# Altium PCB MCU.PcbDoc (part 2 of 3) (continued)
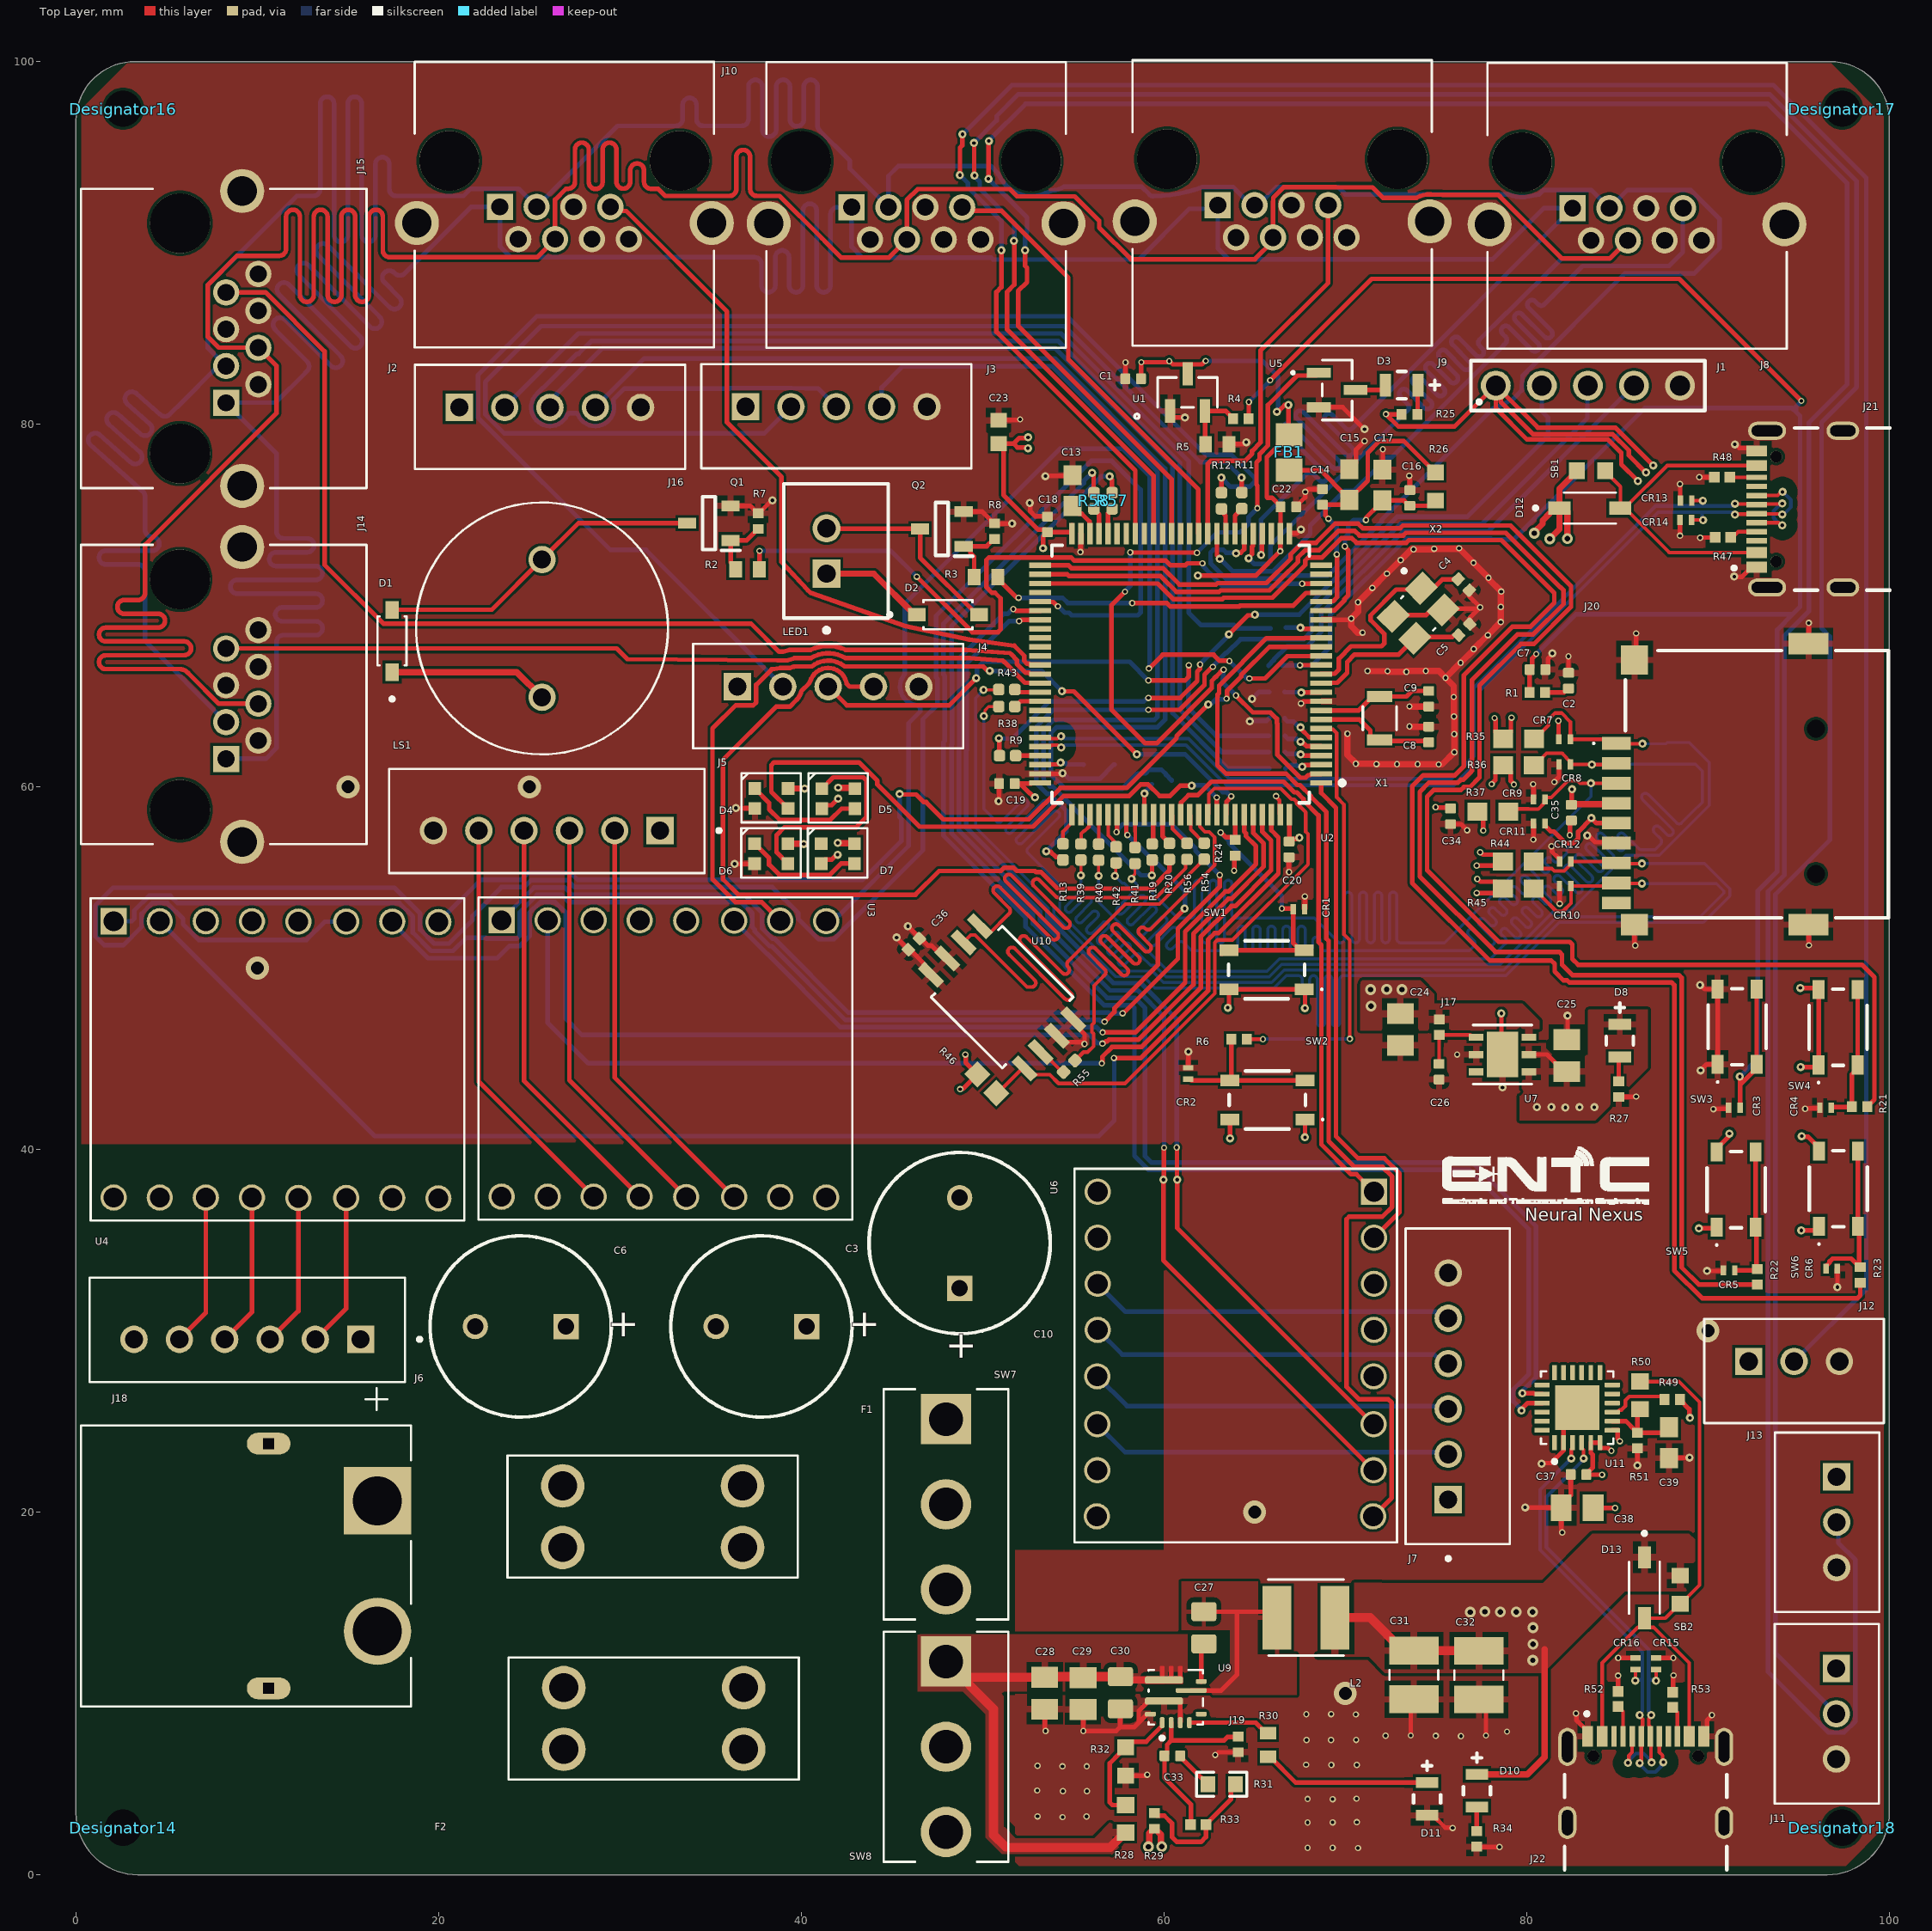
[diagram p0: Top Layer view]
## Nets (pads, with @x,y where several pads share a name; then routed paths per layer and width w, separated by ;. In a path a pad name is that pad's centre, name@x,y a point inside that pad or via, vN(x,y) a via of type N, cw(c..) or ccw(c..) an arc to the next point about the centre after c; other vN are vias at no path point) (continued)
M3_MS1: U2.56 U6.7 | length 60.8
  Top Layer w0.254: v1(51.69,69.81) 51.743,69.81 51.833,69.72 U2.56@53.17,69.72 ; v1(60.01,40.1) 59.99,40.08 59.99,38.35 v2(59.97,38.33) 59.97,33.898 U6.7@71.56,22.308
  Bottom Layer w0.254: v1(51.69,69.81) 51.637,69.81 51.371,69.544 51.15,69.544 48.723,67.117 48.723,62.201 48.686,62.164 48.686,57.607 53.176,53.117 53.176,52.63 57.033,48.772 58.556,48.772 60.01,47.318 v1(60.01,40.1)
M3_MS2: U2.57 U6.6 | length 57.2
  Top Layer w0.254: v1(52.01,69.14) 52.063,69.14 52.143,69.22 U2.57@53.17,69.22 ; v1(60.7,40.11) 60.715,40.095 60.715,38.345 v2(60.73,38.33) 60.73,35.678 U6.6@71.56,24.848
  Bottom Layer w0.254: v1(52.01,69.14) 51.451,69.14 49.127,66.816 49.127,62.034 49.09,61.997 49.09,57.774 53.58,53.284 53.58,52.797 57.201,49.176 58.723,49.176 60.7,47.199 v1(60.7,40.11)
M3_STEP: U2.1 U6.2 | length 28.3
  Top Layer w0.254: U2.1@68.67,60.22 68.67,59.668 69.49,58.848 69.49,40.73 70.701,39.519 72.147,39.519 72.987,38.678 72.987,36.537 U6.2@71.581,35.131
M4_DIR: R18.1 U2.84 | length 1.8
  Top Layer w0.254: U2.84@58.92,58.47 v2(58.92,59.63)
  Bottom Layer w0.254: v2(58.92,59.63) 58.92,59.683 59.155,59.918 59.155,59.979 R18.1@59.325,60.15
M4_EN: R10.1 U2.18 | length 1.9
  Top Layer w0.254: v2@67.57,68.72 U2.18@68.67,68.72
  Bottom Layer w0.254: R10.1@66.714,68.8 66.724,68.79 67.51,68.79 v2(67.52,68.78)
M4_ENC_CS: J14.7 U2.64 | length 45.8
  Top Layer w0.254: J14.7@8.275,67.636 29.808,67.636 30.399,67.044 38.683,66.976 39.228,66.976 39.617,67.098 39.655,67.11 40.539,67.11 cw(c41.48,65.53) 42.421,67.11 49.27,67.11 49.28,67.109 51.108,66.97 51.183,66.896 52.335,65.743 53.147,65.743 U2.64@53.17,65.72
M4_STEP: R14.1 U2.3 | length 2.1
  Top Layer w0.254: v2(67.63,61.11) 67.683,61.11 67.77,61.197 68.647,61.197 U2.3@68.67,61.22
  Bottom Layer w0.254: R14.1@66.7,61.01 66.871,61.181 67.018,61.181 67.037,61.2 67.295,61.2 67.347,61.148 67.592,61.148 v2(67.63,61.11)
M5_DIR: R19.1 U2.85 | length 1.6
  Top Layer w0.254: R19.1@59.35,56.854 59.397,56.901 59.397,58.447 U2.85@59.42,58.47
M5_EN: R11.1 U2.32 | length 1.5
  Top Layer w0.254: U2.32@63.92,73.97 63.92,74.958 64.29,75.328 R11.1@64.29,75.346
M5_ENC_CS: J15.7 U2.63 | length 60.7
  Top Layer w0.254: J15.7@8.275,87.274 10.455,87.274 13.71,84.019 13.71,72.248 16.95,69.008 37.222,69.008 38.776,67.454 38.986,67.454 39.352,67.552 39.384,67.56 40.526,67.56 cw(c41.48,65.53) 42.434,67.56 49.054,67.56 49.063,67.559 51.51,67.38 51.584,67.306 51.889,67.001 51.889,66.788 52.384,66.293 52.548,66.293 52.598,66.243 53.147,66.243 U2.63@53.17,66.22
M5_STEP: R15.1 U2.4 | length 2.1
  Top Layer w0.254: v2(67.54,61.79) 67.593,61.79 67.663,61.72 U2.4@68.67,61.72
  Bottom Layer w0.254: R15.1@66.674,61.92 66.767,61.828 67.502,61.828 v2(67.54,61.79)
M6_DIR: R20.1 U2.86 | length 1.7
  Top Layer w0.254: U2.86@59.92,58.47 59.92,57.282 60.3,56.902 R20.1@60.3,56.884
M6_EN: R12.1 U2.33 | length 1.5
  Top Layer w0.254: R12.1@63.17,75.336 63.341,75.165 63.341,75.007 63.397,74.951 63.397,73.993 U2.33@63.42,73.97
M6_ENC_CS: J16.7 U2.62 | length 39.9
  Top Layer w0.254: J16.7@29.47,91.99 29.698,91.762 30.35,91.762 35.899,86.213 35.899,80.101 38.912,77.088 38.912,72.401 40.338,70.87 40.5,70.708 45.77,68.858 49.263,68.126 51.746,67.784 51.82,67.71 52.293,67.237 52.293,66.955 52.455,66.793 52.548,66.793 52.598,66.743 53.147,66.743 U2.62@53.17,66.72
M6_STEP: R16.1 U2.5 | length 2.2
  Top Layer w0.254: v2(67.53,62.49) 67.583,62.49 67.711,62.363 67.749,62.363 67.869,62.243 68.647,62.243 U2.5@68.67,62.22
  Bottom Layer w0.254: R16.1@66.669,62.82 66.84,62.649 67.318,62.649 67.477,62.49 v2(67.53,62.49)
MicroSD_CK: R42.1 U2.80 | length 1.8
  Top Layer w0.2: U2.80@56.92,58.47 56.92,57.325 R42.1@57.39,56.854
MicroSD_CMD: R41.1 U2.83 | length 1.6
  Top Layer w0.2: R41.1@58.4,56.86 58.407,56.86 58.415,56.868 58.415,57.526 58.41,57.531 58.41,58.46 U2.83@58.42,58.47
MicroSD_D0: R43.1 U2.65 | length 1.5
  Top Layer w0.254: R43.1@51.774,65.46 51.792,65.46 52.032,65.22 U2.65@53.17,65.22
MicroSD_D1: R38.2 U2.66 | length 1.5
  Top Layer w0.254: R38.2@51.774,64.43 51.792,64.43 52.082,64.72 U2.66@53.17,64.72
MicroSD_D2: R39.1 U2.78 | length 1.8
  Top Layer w0.2: R39.1@55.44,56.854 55.44,57.42 55.613,57.593 55.647,57.593 55.87,57.816 55.87,58.42 U2.78@55.92,58.47
MicroSD_D3: R40.1 U2.79 | length 1.6
  Top Layer w0.2: R40.1@56.4,56.844 56.41,56.854 56.41,58.46 U2.79@56.42,58.47
NetC4_1: C4.1 U2.13 X2.1 | length 12.1
  Top Layer w0.254: U2.13@68.67,66.22 68.693,66.243 69.405,66.243 69.646,66.484 69.646,67.078 70.322,67.754 72.001,67.754 72.15,67.903 72.15,68.438 71.394,69.194 71.394,69.465 72.814,70.885 74.125,70.885 X2.1@74.196,70.956 74.865,70.956 75.343,71.434 76.203,71.434 C4.1@76.225,71.455
NetC5_1: C5.1 U2.12 X2.3 | length 9
  Top Layer w0.254: U2.12@68.67,65.72 68.693,65.743 69.547,65.743 70.1,66.296 70.1,66.89 70.51,67.3 72.944,67.3 X2.3@73.842,68.198 73.913,68.269 75.904,68.269 76.027,68.391 76.229,68.391 C5.1@76.25,68.37
NetC12_1: C12.1 U2.73 | length 2.5
  Top Layer w0.254: U2.73@53.17,61.22 53.192,61.242 54.151,61.242 54.249,61.34 v2(54.302,61.34)
  Bottom Layer w0.254: v2(54.302,61.34) 54.339,61.302 54.577,61.302 54.639,61.24 55.55,61.24 C12.1@55.57,61.22
NetC13_1: C13.1 U2.48 | length 2
  Top Layer w0.254: C13.1@54.95,75.49 54.95,75.44 55.323,75.067 55.465,75.067 55.897,74.635 55.897,73.993 U2.48@55.92,73.97
NetC14_2: C14.2 C15.1 FB1.1 R26.2 U2.21 | length 19.8
  Top Layer w0.254: FB1.1@66.81,77.467 68.625,77.467 70.089,76.003 C15.1@70.089,75.691 ; U2.21@68.67,70.22 68.693,70.243 69.335,70.243 69.547,70.455 69.547,72.777 69.528,72.796 v1(69.528,72.822) ; C14.2@68.74,75.56 C14.2@68.77,75.56 ; v1(69.07,74.79) 69.07,74.816 68.913,74.973 68.913,75.417 C14.2@68.77,75.56 ; C15.1@69.958,75.56 C14.2@68.77,75.56 ; C15.1@70.07,75.672 C15.1@70.089,75.691 ; R26.2@74.98,77.35 74.95,77.35 73.228,79.072 71.883,79.072 71.238,78.427 71.238,76.89 70.22,75.872 C15.1@70.22,75.822 C15.1@70.089,75.691
  Bottom Layer w0.254: v1(69.07,74.79) 69.515,74.345 69.515,72.835 v1(69.528,72.822)
NetC26_2: C26.2 J17.1 U7.1 | length 3.7
  Top Layer w0.2: C26.2@75.17,44.722 75.17,46.308 J17.1@75.18,46.318 76.892,46.318 77.02,46.19 U7.1@77.22,46.19
NetC27_1: C27.1 L2.1 U9.6 | length 10.5
  Top Layer w0.254: U9.6@61.5,10.16 63.15,10.16 64.03,11.04 64.03,14.487 64.051,14.508 ; C27.1@62.2,14.508 64.051,14.508 ; L2.1@66.23,14.18 65.902,14.508 64.051,14.508
NetC27_2: C27.2 U9.7 | length 2.1
  Top Layer w0.254: U9.7@62.05,10.66 62.05,12.582 C27.2@62.2,12.732
NetC33_1: C33.1 J19.2 R33.1 U9.2 | length 10.2
  Top Layer w0.254: U9.2@60.4,8.39 60.4,7.42 60.41,7.41 ; R33.1@61.47,2.77 61.49,2.79 61.49,3.87 60.028,5.332 C33.1@60.028,6.56 60.171,6.703 60.171,7.171 60.41,7.41 ; J19.2@64.09,7.59 63.5,7.59 63.32,7.41 60.41,7.41
NetC33_2: C33.2 R31.1 | length 2.2
  Top Layer w0.254: C33.2@60.892,6.56 60.892,6.53 62.102,5.32 62.102,5.308 R31.1@62.42,4.99
NetC39_1: C39.1 R50.2 R51.2 U11.8 | length 4.9
  Top Layer w0.254: U11.8@84.725,25.015 85.475,25.015 85.937,24.553 85.937,24.523 86.08,24.38 R51.2@86.11,24.38 ; R50.2@86.25,25.68 86.11,25.54 R51.2@86.11,24.38 ; C39.1@87.86,24.68 87.56,24.38 R51.2@86.11,24.38
NetCR2_2: CR2.2 R6.2 SW2.3 SW2.4 | length 8.8
  Top Layer w0.254: CR2.2@61.33,43.873 61.457,43.873 61.525,43.805 SW2.4@63.625,43.805 ; R6.2@63.708,46.09 63.708,43.888 SW2.4@63.625,43.805 ; SW2.3@67.775,43.805 SW2.4@63.625,43.805
NetCR4_2: CR4.2 R21.2 SW4.3 SW4.4 | length 7.7
  Top Layer w0.254: CR4.2@96.805,42.3 96.805,42.31 96.83,42.335 97.895,42.335 R21.2@97.93,42.37 97.93,44.14 98.255,44.465 SW4.3@98.255,44.665 SW4.4@98.255,48.815
NetCR5_2: CR5.2 R22.2 SW5.3 SW5.4 | length 7.7
  Top Layer w0.254: CR5.2@91.478,33.33 92.557,33.33 92.68,33.453 92.68,35.66 SW5.3@92.63,35.71 SW5.4@92.63,39.86
NetCR6_2: CR6.2 R23.2 SW6.3 SW6.4 | length 8.7
  Top Layer w0.254: CR6.2@96.505,33.43 96.53,33.455 96.53,33.582 96.711,33.763 96.711,33.824 96.873,33.986 97.896,33.986 98.305,33.577 98.335,33.577 98.335,35.695 SW6.3@98.27,35.76 SW6.4@98.27,39.91
NetCR7_2: CR7.2 J20.1 R35.1 R39.2 | length 69.7
  Top Layer w0.16: v2(55.41,55.12) 55.415,55.125 55.415,55.96 R39.2@55.42,55.965
  Top Layer w0.2: R35.1@80.41,62.65 80.46,62.65 81.217,63.407 81.217,63.718 81.574,64.075 81.926,64.075 82.41,63.591 CR7.2@82.41,62.63 84.72,62.63 84.97,62.38 v2(86.39,62.38)
  Bottom Layer w0.16: v2@55.43,55.12 55.43,55.078 55.43,54.332 cw(c55.223,54.332) 55.369,54.186 54.617,53.434 ccw(c54.764,53.287) 54.617,53.141 ccw(c54.764,53.287) 54.91,53.141 55.651,53.882 cw(c55.797,53.735) 55.944,53.882 cw(c55.797,53.735) 55.944,53.589 55.203,52.848 ccw(c55.349,52.702) 55.203,52.555 ccw(c55.349,52.702) 55.496,52.555 56.035,53.094 cw(c56.181,52.948) 56.327,53.094 cw(c56.181,52.948) 56.327,52.802 55.788,52.263 ccw(c55.935,52.116) 55.788,51.97 ccw(c55.935,52.116) 56.081,51.97 56.62,52.509 cw(c56.766,52.362) 56.913,52.509 cw(c56.766,52.362) 56.913,52.216 56.374,51.677 ccw(c56.52,51.531) 56.374,51.384 ccw(c56.52,51.531) 56.667,51.384 57.206,51.923 cw(c57.352,51.777) 57.498,51.923 cw(c57.352,51.777) 57.498,51.631 56.959,51.092 ccw(c57.106,50.945) 56.959,50.799 ccw(c57.106,50.945) 57.252,50.799 57.791,51.338 cw(c57.937,51.191) 58.084,51.338 cw(c57.937,51.191) 58.084,51.045 57.545,50.506 ccw(c57.691,50.36) 57.545,50.214 ccw(c57.691,50.36) 57.838,50.214 58.371,50.747 cw(c58.517,50.6) 58.663,50.747 58.72,50.69 59.257,50.153 59.473,50.153 60.104,49.522 60.546,49.522 60.549,49.525 65.808,49.525 66.493,50.21 78.56,50.21 81.502,53.152 82.392,53.152 85.465,56.225 87.318,56.225 88.903,57.81 90.07,58.977 90.07,61.13 90.07,61.35 88.974,62.446 87.754,62.446 87.688,62.38 v2(86.39,62.38)
NetCR8_2: CR8.2 J20.2 R36.1 R40.2 | length 83.3
  Top Layer w0.16: v2(56.4,55.1) R40.2@56.4,55.955
  Top Layer w0.2: R36.1@80.4,61.2 80.45,61.2 81.1,61.85 81.96,61.85 82.187,61.623 82.187,61.6 82.42,61.367 CR8.2@82.42,61.24 82.425,61.235 83.595,61.235 v2(83.6,61.23) 84.88,61.23 J20.2@84.95,61.3
  Bottom Layer w0.16: v2(56.4,55.1) 56.4,53.644 59.132,50.912 59.152,50.912 60.232,49.832 60.418,49.832 60.421,49.835 65.68,49.835 66.365,50.52 78,50.52 78.774,51.294 78.831,51.351 ccw(c78.685,51.497) 78.831,51.644 78.635,51.84 cw(c78.781,51.986) 78.635,52.133 cw(c78.781,51.986) 78.928,52.133 79.34,51.721 ccw(c79.486,51.867) 79.632,51.721 ccw(c79.486,51.867) 79.632,52.013 79.22,52.425 cw(c79.367,52.572) 79.22,52.718 cw(c79.367,52.572) 79.513,52.718 79.925,52.306 ccw(c80.071,52.453) 80.218,52.306 ccw(c80.071,52.453) 80.218,52.599 79.806,53.011 cw(c79.952,53.157) 79.806,53.304 cw(c79.952,53.157) 80.099,53.304 80.511,52.892 ccw(c80.657,53.038) 80.803,52.892 ccw(c80.657,53.038) 80.803,53.184 80.391,53.596 cw(c80.538,53.743) 80.391,53.889 cw(c80.538,53.743) 80.684,53.889 80.986,53.587 ccw(c81.132,53.734) 81.279,53.587 ccw(c81.132,53.734) 81.279,53.88 80.977,54.182 cw(c81.123,54.328) 80.977,54.475 cw(c81.123,54.328) 81.27,54.475 81.636,54.109 ccw(c81.782,54.255) 81.928,54.109 ccw(c81.782,54.255) 81.928,54.401 81.562,54.767 cw(c81.709,54.914) 81.562,55.06 cw(c81.709,54.914) 81.855,55.06 82.712,54.203 ccw(c82.858,54.349) 83.005,54.203 ccw(c82.858,54.349) 83.005,54.496 82.148,55.353 cw(c82.294,55.499) 82.148,55.646 cw(c82.294,55.499) 82.441,55.646 83.297,54.789 ccw(c83.444,54.935) 83.59,54.789 ccw(c83.444,54.935) 83.59,55.081 82.733,55.938 cw(c82.88,56.085) 82.733,56.231 cw(c82.88,56.085) 83.026,56.231 83.883,55.374 ccw(c84.029,55.52) 84.176,55.374 ccw(c84.029,55.52) 84.176,55.667 83.319,56.524 cw(c83.465,56.67) 83.319,56.816 cw(c83.465,56.67) 83.611,56.816 84.468,55.96 ccw(c84.615,56.106) 84.761,55.96 ccw(c84.615,56.106) 84.761,56.252 83.913,57.101 cw(c84.059,57.247) 83.913,57.394 cw(c84.059,57.247) 84.205,57.394 85.054,56.545 ccw(c85.2,56.691) 85.347,56.545 ccw(c85.2,56.691) 85.347,56.838 85.084,57.101 cw(c85.23,57.247) 85.084,57.394 cw(c85.23,57.247) 85.376,57.394 86.174,56.596 ccw(c86.321,56.742) 86.321,56.535 87.075,56.535 87.387,56.847 ccw(c87.24,56.993) 87.387,57.14 87.038,57.488 cw(c87.185,57.635) 87.038,57.781 cw(c87.185,57.635) 87.331,57.781 87.737,57.375 ccw(c87.883,57.522) 88.029,57.375 ccw(c87.883,57.522) 88.029,57.668 86.401,59.296 cw(c86.548,59.442) 86.401,59.589 cw(c86.548,59.442) 86.694,59.589 88.265,58.018 ccw(c88.411,58.164) 88.558,58.018 89.105,58.565 89.684,59.144 89.684,60.876 89.31,61.25 83.62,61.25 v2(83.6,61.23)
NetCR9_2: CR9.2 J20.3 R37.1 R41.2 | length 76.6
  Top Layer w0.16: v2(58.212,54.932) 58.212,55.01 58.395,55.193 58.395,55.76 R41.2@58.4,55.765
  Top Layer w0.2: R37.1@78.99,58.64 79.14,58.79 80.12,58.79 80.129,58.781 80.641,58.781 80.968,59.107 80.968,59.258 CR9.2@81.02,59.31 81.02,59.363 81.072,59.415 81.355,59.415 82.285,60.345 82.809,60.345 82.954,60.2 J20.3@84.95,60.2
  Bottom Layer w0.16: v2(58.212,54.932) 58.212,54.93 58.54,54.602 58.54,54.489 58.704,54.325 59.195,54.325 60.76,52.76 61.39,52.76 61.47,52.76 ccw(c61.47,52.967) 61.677,52.967 61.677,54.646 cw(c61.884,54.646) 62.091,54.646 62.091,51.607 ccw(c62.298,51.607) 62.505,51.607 62.505,54.646 cw(c62.712,54.646) 62.919,54.646 62.919,51.607 ccw(c63.126,51.607) 63.333,51.607 63.333,54.646 cw(c63.54,54.646) 63.747,54.646 63.747,52.967 ccw(c63.954,52.967) 63.954,52.76 64.362,52.76 68.3,52.76 69.66,51.4 69.74,51.4 ccw(c69.74,51.607) 69.947,51.607 69.947,53.987 cw(c70.154,53.987) 70.361,53.987 70.361,51.607 ccw(c70.568,51.607) 70.775,51.607 70.775,53.987 cw(c70.982,53.987) 71.189,53.987 71.189,51.607 ccw(c71.396,51.607) 71.603,51.607 71.603,53.987 cw(c71.81,53.987) 72.017,53.987 72.017,51.607 ccw(c72.224,51.607) 72.431,51.607 72.431,53.987 cw(c72.638,53.987) 72.845,53.987 72.845,51.607 ccw(c73.052,51.607) 73.052,51.4 74.01,51.4 75.48,51.4 83.545,59.465 v2(83.545,60.2)
NetCR10_1: CR10.1 J20.8 R38.1 R45.2 | length 80.7
  Top Layer w0.16: v2(50.07,63.91) 50.125,63.965 50.125,64.217 50.328,64.42 50.875,64.42 R38.1@50.885,64.43
  Top Layer w0.2: R45.2@80.39,54.387 80.453,54.387 80.84,54 80.84,53.937 81.656,53.121 81.986,53.121 82.445,53.58 CR10.1@82.445,54.53 84.78,54.53 J20.8@84.95,54.7 84.98,54.67 v2(86.36,54.67)
  Bottom Layer w0.16: v2(50.07,63.91) 50.07,58.78 50.472,58.378 50.751,58.099 ccw(c50.898,58.245) 51.044,58.099 52.159,59.214 cw(c52.305,59.067) 52.452,59.214 cw(c52.305,59.067) 52.452,58.921 51.326,57.795 ccw(c51.472,57.649) 51.326,57.503 ccw(c51.472,57.649) 51.619,57.503 53.312,59.196 cw(c53.459,59.05) 53.605,59.196 cw(c53.459,59.05) 53.605,58.903 51.911,57.21 ccw(c52.058,57.063) 51.911,56.917 ccw(c52.058,57.063) 52.204,56.917 53.898,58.611 cw(c54.044,58.464) 54.191,58.611 cw(c54.044,58.464) 54.191,58.318 52.508,56.635 ccw(c52.654,56.489) 52.508,56.342 52.857,55.993 54.247,54.603 54.247,53.073 57.477,49.843 59.344,49.843 59.976,49.212 65.933,49.212 66.622,49.9 78.737,49.9 81.679,52.842 89.582,52.842 90.874,54.134 90.874,54.266 90.47,54.67 v2(86.36,54.67)
NetCR11_1: CR11.1 J20.5 R42.2 | length 75.6
  Top Layer w0.16: v2(57.293,55.092) 57.341,55.14 57.341,55.917 R42.2@57.39,55.965
  Top Layer w0.254: CR11.1@81.02,57.98 81.02,57.853 81.331,57.542 81.505,57.542 82.159,56.888 82.567,56.888 82.843,57.163 82.843,57.529 83.57,58.256 v2(83.57,58.28) 83.85,58 J20.5@84.95,58
  Bottom Layer w0.16: v2(57.293,55.092) 57.695,54.69 57.81,54.69 58.159,54.341 cw(c58.013,54.194) 58.159,54.048 57.443,53.332 ccw(c57.59,53.185) 57.443,53.039 ccw(c57.59,53.185) 57.736,53.039 58.651,53.954 cw(c58.797,53.808) 58.944,53.954 cw(c58.797,53.808) 58.944,53.661 58.029,52.746 ccw(c58.175,52.6) 58.029,52.454 ccw(c58.175,52.6) 58.321,52.454 59.236,53.369 cw(c59.383,53.222) 59.529,53.369 cw(c59.383,53.222) 59.529,53.076 58.614,52.161 ccw(c58.761,52.014) 58.614,51.868 ccw(c58.761,52.014) 58.907,51.868 59.822,52.783 cw(c59.968,52.637) 60.115,52.783 cw(c59.968,52.637) 60.115,52.49 59.2,51.575 ccw(c59.346,51.429) 59.2,51.283 ccw(c59.346,51.429) 59.492,51.283 60.407,52.198 cw(c60.554,52.051) 60.7,52.198 cw(c60.554,52.051) 60.7,51.905 60.194,51.399 ccw(c60.341,51.253) 60.194,51.106 ccw(c60.341,51.253) 60.487,51.106 60.794,51.413 cw(c60.94,51.267) 61.087,51.413 61.313,51.187 61.54,50.96 63.78,50.96 63.86,50.96 ccw(c63.86,51.167) 64.067,51.167 64.067,52.113 cw(c64.274,52.113) 64.481,52.113 64.481,51.167 ccw(c64.688,51.167) 64.895,51.167 64.895,52.113 cw(c65.102,52.113) 65.309,52.113 65.309,51.167 ccw(c65.516,51.167) 65.723,51.167 65.723,52.113 cw(c65.93,52.113) 66.137,52.113 66.137,51.167 ccw(c66.344,51.167) 66.551,51.167 66.551,52.113 cw(c66.758,52.113) 66.965,52.113 66.965,51.167 ccw(c67.172,51.167) 67.379,51.167 67.379,52.113 cw(c67.586,52.113) 67.793,52.113 67.793,51.167 ccw(c68,51.167) 68.207,51.167 68.207,51.514 cw(c68.414,51.514) 68.621,51.514 68.621,51.167 ccw(c68.828,51.167) 68.828,50.96 69.45,50.96 76.84,50.96 77.045,51.165 77.102,51.222 ccw(c76.955,51.368) 77.102,51.514 76.805,51.81 cw(c76.952,51.957) 76.805,52.103 cw(c76.952,51.957) 77.098,52.103 77.883,51.318 ccw(c78.03,51.465) 78.176,51.318 ccw(c78.03,51.465) 78.176,51.611 77.391,52.396 cw(c77.537,52.542) 77.391,52.689 cw(c77.537,52.542) 77.684,52.689 77.98,52.393 ccw(c78.126,52.539) 78.273,52.393 ccw(c78.126,52.539) 78.273,52.685 77.976,52.981 cw(c78.123,53.128) 77.976,53.274 cw(c78.123,53.128) 78.269,53.274 78.565,52.978 ccw(c78.712,53.124) 78.858,52.978 ccw(c78.712,53.124) 78.858,53.271 78.562,53.567 cw(c78.708,53.713) 78.562,53.86 cw(c78.708,53.713) 78.855,53.86 79.151,53.564 ccw(c79.297,53.71) 79.444,53.564 ccw(c79.297,53.71) 79.444,53.856 79.147,54.152 cw(c79.294,54.299) 79.147,54.445 cw(c79.294,54.299) 79.44,54.445 79.736,54.149 ccw(c79.883,54.295) 80.029,54.149 ccw(c79.883,54.295) 80.029,54.442 79.733,54.738 cw(c79.879,54.884) 79.733,55.031 cw(c79.879,54.884) 80.026,55.031 80.322,54.734 ccw(c80.468,54.881) 80.614,54.734 ccw(c80.468,54.881) 80.614,55.027 80.318,55.323 cw(c80.465,55.47) 80.318,55.616 cw(c80.465,55.47) 80.611,55.616 80.907,55.32 ccw(c81.054,55.466) 81.2,55.32 ccw(c81.054,55.466) 81.2,55.613 81.063,55.75 cw(c81.21,55.896) 81.063,56.042 cw(c81.21,55.896) 81.356,56.042 81.493,55.905 ccw(c81.639,56.052) 81.785,55.905 82.215,56.335 82.215,56.572 82.796,57.153 82.796,57.416 83.156,57.776 83.156,57.866 v2(83.57,58.28)
NetCR12_1: CR12.1 J20.7 R43.2 R44.2 | length 80.8
  Top Layer w0.16: v2(50.05,65.35) 50.06,65.36 50.875,65.36 R43.2@50.885,65.37
  Top Layer w0.2: R44.2@80.39,55.89 80.79,55.49 81.39,55.49 81.519,55.361 82.068,55.361 82.395,55.687 82.395,55.838 CR12.1@82.448,55.89 84.86,55.89 J20.7@84.95,55.8 84.98,55.77 v2(86.36,55.77)
  Bottom Layer w0.16: v2(50.05,65.35) 49.61,64.91 49.61,57.759 53.937,53.432 53.937,52.945 57.349,49.533 58.871,49.533 59.502,48.902 66.062,48.902 66.75,49.59 67.416,49.59 cw(c67.416,49.383) 67.623,49.383 67.623,48.777 ccw(c67.83,48.777) 68.037,48.777 68.037,49.383 cw(c68.244,49.383) 68.451,49.383 68.451,47.003 ccw(c68.658,47.003) 68.865,47.003 68.865,49.383 cw(c69.072,49.383) 69.279,49.383 69.279,47.003 ccw(c69.486,47.003) 69.693,47.003 69.693,49.383 cw(c69.9,49.383) 69.9,49.59 69.98,49.59 78.865,49.59 81.807,52.532 89.749,52.532 91.203,53.986 91.203,54.375 89.808,55.77 v2(86.36,55.77)
NetD1_A: D1.A LS1.N Q1.3 | length 18.2
  Top Layer w0.254: D1.A@17.43,69.77 22.93,69.77 LS1.N@25.7,72.54 27.705,74.545 Q1.3@33.7,74.545
NetD2_A: D2.A LED1.2 Q2.3 | length 11.3
  Top Layer w0.254: LED1.2@41.39,74.26 41.408,74.243 46.533,74.243 Q2.3@46.55,74.225 46.55,72.64 49.69,69.5 D2.A@49.81,69.5
NetD3_1: D3.1 R25.1 | length 1.6
  Top Layer w0.254: R25.1@73.97,80.54 73.99,80.56 73.99,82.14 D3.1@74.01,82.16
NetD3_2: D3.2 U5.3 | length 1.8
  Top Layer w0.254: U5.3@70.566,81.89 72.037,81.89 72.21,82.063 D3.2@72.21,82.16
NetD4_1: D4.1 D5.3 | length 6.7
  Top Layer w0.254: D4.1@37.435,59.91 38.229,59.116 38.229,58.754 38.81,58.173 41.595,58.173 42.222,58.8 D5.3@42.96,58.8
NetD5_1: D5.1 D6.3 | length 12
  Top Layer w0.254: D6.3@39.255,55.77 38.628,56.397 38.628,57.335 39.062,57.769 43.021,57.769 43.587,58.335 43.587,60.365 43.425,60.527 41.757,60.527 D5.1@41.13,59.9
NetD6_1: D6.1 D7.3 | length 6.7
  Top Layer w0.254: D6.1@37.425,56.87 38.219,56.076 38.219,55.714 38.79,55.143 41.565,55.143 42.192,55.77 D7.3@42.93,55.77
NetD8_2: D8.2 R27.2 | length 1.4
  Top Layer w0.254: R27.2@85.08,43.76 85.08,45.04 D8.2@85.14,45.1
NetD10_2: D10.2 R34.2 | length 1.3
  Top Layer w0.254: R34.2@77.24,2.412 77.24,3.71 D10.2@77.26,3.73
NetF1_2: F1.2 F1.4 SW7.2 | length 0.2
  Power w2.15: SW7.2@47.811,20.43 SW7.2@47.98,20.43
NetF2_2: F2.2 F2.4 SW8.2 | length 0.2
  Power w2.15: SW8.2@47.811,7.06 SW8.2@47.98,7.06
NetJ1_2: J1.2 R9.2 | length 41.6
  Top Layer w0.254: v2(50.9,62.68) 50.915,62.665 50.915,61.736 R9.2@50.931,61.72 ; v1(59.14,64.91) 59.145,64.905 60.895,64.905 61.83,65.84 61.83,66.358 61.992,66.521 v1(61.992,66.752) ; v2(63.58,68.42) 64.622,69.462 64.972,69.462 v2(65.01,69.5)
  Bottom Layer w0.254: v2(50.9,62.68) 50.918,62.662 51.633,62.662 53.681,64.71 58.893,64.71 59.093,64.91 v1(59.14,64.91) ; v1(61.992,66.752) 61.992,66.793 63.58,68.38 v2(63.58,68.42) ; v2(65.01,69.5) 67.455,69.5 72.853,74.898 76.718,74.898 81.175,79.355 81.175,80.386 80.84,80.721 J1.2@80.84,82.13
NetJ1_3: J1.3 R13.2 | length 49.4
  Top Layer w0.254: v2(53.51,56.45) 53.548,56.412 53.761,56.412 54.032,56.141 54.259,56.141 R13.2@54.43,55.97 ; v1(59.14,64.25) 60.864,64.25 62.234,65.62 62.234,66.191 62.663,66.62 v1(62.7,66.62)
  Bottom Layer w0.254: v2(53.51,56.45) 54.608,57.548 54.608,58.698 53.692,59.614 53.553,59.614 52.97,60.197 52.97,60.33 52.956,60.344 52.956,63.307 53.899,64.25 v1@59.14,64.25 ; v1(62.7,66.62) 62.7,66.669 63.423,67.392 63.462,67.392 64.216,68.145 67.705,68.145 68.12,68.56 68.12,69.594 73.02,74.494 77.514,74.494 83.35,80.33 83.35,82.1 J1.3@83.38,82.13
NetJ1_4: J1.4 R17.2 | length 27.2
  Bottom Layer w0.254: R17.2@65.765,66.68 65.765,66.697 66.06,66.992 66.06,67.019 66.782,67.742 67.873,67.742 68.67,68.539 68.67,69.573 73.187,74.09 77.88,74.09 J1.4@85.92,82.13
NetJ2_2: J2.2 R10.2 | length 55.6
  Bottom Layer w0.254: J2.2@23.64,80.93 27.716,85.006 54.328,85.006 61.368,77.966 61.368,69.602 62.048,68.922 63.862,68.922 64.044,68.74 R10.2@65.875,68.74
NetJ2_3: J2.3 R14.2 | length 58.8
  Bottom Layer w0.254: J2.3@26.14,80.93 26.14,81.269 26.504,81.633 26.504,81.664 29.038,84.198 53.993,84.198 60.469,77.722 60.469,64.08 63.539,61.01 R14.2@65.811,61.01
NetJ2_4: J2.4 R18.2 | length 65.5
  Bottom Layer w0.254: J2.4@28.64,80.93 31.34,83.63 53.99,83.63 60.065,77.555 60.065,63.712 59.649,63.296 54.087,63.296 53.764,62.973 53.764,60.679 54.021,60.422 54.027,60.422 54.559,59.89 57.69,59.89 58.544,60.744 58.986,60.744 59.186,60.945 59.865,60.945 60.12,60.689 60.12,60.662 60.414,60.367 R18.2@60.414,60.35
NetJ3_2: J3.2 R11.2 | length 67
  Top Layer w0.254: v2(64.275,77.055) 64.283,77.048 64.283,76.242 R11.2@64.29,76.235
  Bottom Layer w0.254: J3.2@39.43,80.97 37.955,79.495 23.617,79.495 22.575,80.537 22.575,81.966 22.57,81.971 22.57,82.33 25.65,85.41 54.51,85.41 62.01,77.91 63.43,77.91 64.275,77.065 v2(64.275,77.055)
NetJ3_3: J3.3 R15.2 | length 79.5
  Bottom Layer w0.254: J3.3@41.93,80.97 41.004,81.896 40.93,81.97 39.454,82.001 ccw(c39.43,80.97) 39.43,82.001 36.061,82.001 36.03,81.97 30.251,81.97 29.632,81.35 29.632,81.245 29.632,81.212 cw(c28.64,80.93) 27.697,80.513 27.665,80.545 27.591,80.619 27.486,80.619 27.189,80.619 27.083,80.513 cw(c26.14,80.93) 25.411,81.659 26.156,82.404 27.64,83.889 27.719,83.889 28.432,84.602 52.761,84.602 54.161,84.602 60.873,77.89 60.873,64.247 63.2,61.92 R15.2@65.785,61.92
NetJ3_4: J3.4 R19.2 | length 51
  Top Layer w0.254: v2(59.335,55.125) 59.343,55.132 59.343,55.958 R19.2@59.35,55.965
  Bottom Layer w0.254: J3.4@44.43,80.97 44.43,82.03 45.6,83.2 53.81,83.2 59.642,77.368 59.642,63.861 59.481,63.7 53.92,63.7 53.36,63.14 53.36,60.511 53.374,60.497 53.374,60.365 53.721,60.018 53.86,60.018 55.012,58.865 55.012,58.841 58.728,55.125 v2(59.335,55.125)
NetJ4_2: J4.2 R12.2 | length 76.4
  Top Layer w0.254: v2(63.16,77.06) 63.165,77.055 63.165,76.23 R12.2@63.17,76.225
  Bottom Layer w0.254: J4.2@38.98,65.53 31.44,73.07 29.471,73.07 22.171,80.37 22.171,81.799 22.166,81.804 22.166,82.706 25.42,85.96 54.66,85.96 62.306,78.314 63.726,78.314 65.005,77.035 65.005,76.825 64.733,76.553 63.667,76.553 v2(63.16,77.06)
NetJ4_3: J4.3 R16.2 | length 30.2
  Top Layer w0.254: J4.3@41.48,65.53 42.511,64.499 48.149,64.499 v2(49.65,66) ; v1(59.14,65.87) 61.157,65.87 61.375,66.088 v1(61.375,66.71)
  Bottom Layer w0.254: v2(49.65,66) 49.688,66.038 49.688,66.547 50.042,66.902 58.108,66.902 v1(59.14,65.87) ; v1(61.375,66.71) 61.35,66.685 61.35,64.341 62.871,62.82 R16.2@65.78,62.82
NetJ4_4: J4.4 R20.2 | length 44.7
  Top Layer w0.254: J4.4@43.98,65.53 42.74,65.53 42.66,65.53 42.511,65.679 42.469,65.822 ccw(c41.48,65.53) 40.546,65.966 40.545,65.964 40.425,65.706 40.007,65.288 cw(c39.003,65.525) 39.732,64.795 39.359,64.422 38.612,64.422 35.68,61.49 35.68,54.899 36.529,54.05 46.29,54.05 47.6,55.36 51.006,55.36 51.194,55.548 51.694,55.548 51.882,55.36 52.88,55.36 52.943,55.297 53.229,55.297 54.136,54.39 59.31,54.39 60.3,55.38 R20.2@60.3,55.995
NetJ5_2: J5.2 U3.14 | length 22.9
  Top Layer w0.254: J5.2@29.71,57.59 29.71,43.962 U3.14@36.293,37.379
NetJ5_3: J5.3 U3.13 | length 22.9
  Top Layer w0.254: J5.3@27.21,57.59 27.21,43.82 U3.13@33.651,37.379
NetJ5_4: J5.4 U3.12 | length 22.8
  Top Layer w0.254: J5.4@24.71,57.59 24.71,43.78 U3.12@31.09,37.4
NetJ5_5: J5.5 U3.11 | length 22.8
  Top Layer w0.254: J5.5@22.21,57.59 22.21,43.74 U3.11@28.55,37.4
NetJ6_2: J6.2 U4.14 | length 8.5
  Top Layer w0.254: J6.2@13.2,29.53 14.903,31.233 U4.14@14.903,37.329
NetJ6_3: J6.3 U4.13 | length 8.4
  Top Layer w0.254: J6.3@10.7,29.53 12.261,31.091 U4.13@12.261,37.329
NetJ6_4: J6.4 U4.12 | length 8.4
  Top Layer w0.254: J6.4@8.2,29.53 9.7,31.03 U4.12@9.7,37.35
NetJ6_5: J6.5 U4.11 | length 8.4
  Top Layer w0.254: J6.5@5.7,29.53 7.16,30.99 U4.11@7.16,37.35
NetJ7_2: J7.2 U6.14 | length 20
  Bottom Layer w0.254: U6.14@56.32,24.848 57.858,23.31 75.557,23.31 J7.2@75.676,23.191
NetJ7_3: J7.3 U6.13 | length 20.1
  Bottom Layer w0.254: U6.13@56.32,27.49 57.96,25.85 75.517,25.85 J7.3@75.676,25.691
NetJ7_4: J7.4 U6.12 | length 20.1
  Bottom Layer w0.254: U6.12@56.341,30.051 57.703,28.69 74.901,28.69 75.399,28.191 J7.4@75.676,28.191
NetJ7_5: J7.5 U6.11 | length 20.1
  Bottom Layer w0.254: U6.11@56.341,32.591 57.879,31.053 74.975,31.053 75.337,30.691 J7.5@75.676,30.691
NetQ1_1: Q1.1 R2.2 R7.2 | length 3.5
  Top Layer w0.254: R2.2@36.38,72.01 36.38,72.11 36.1,72.39 Q1.1@36.1,73.59 36.981,73.59 37.447,74.056 37.447,74.085 37.59,74.228 R7.2@37.62,74.228
NetQ2_1: Q2.1 R3.2 R8.2 | length 3.9
  Top Layer w0.254: R3.2@49.53,71.58 49.53,72.69 49.323,72.897 49.323,73.097 49.15,73.27 Q2.1@48.95,73.27 50.23,73.27 50.63,73.67 R8.2@50.66,73.67